# KiCad board AmigaPCI Mainboard.kicad_pcb (continued)
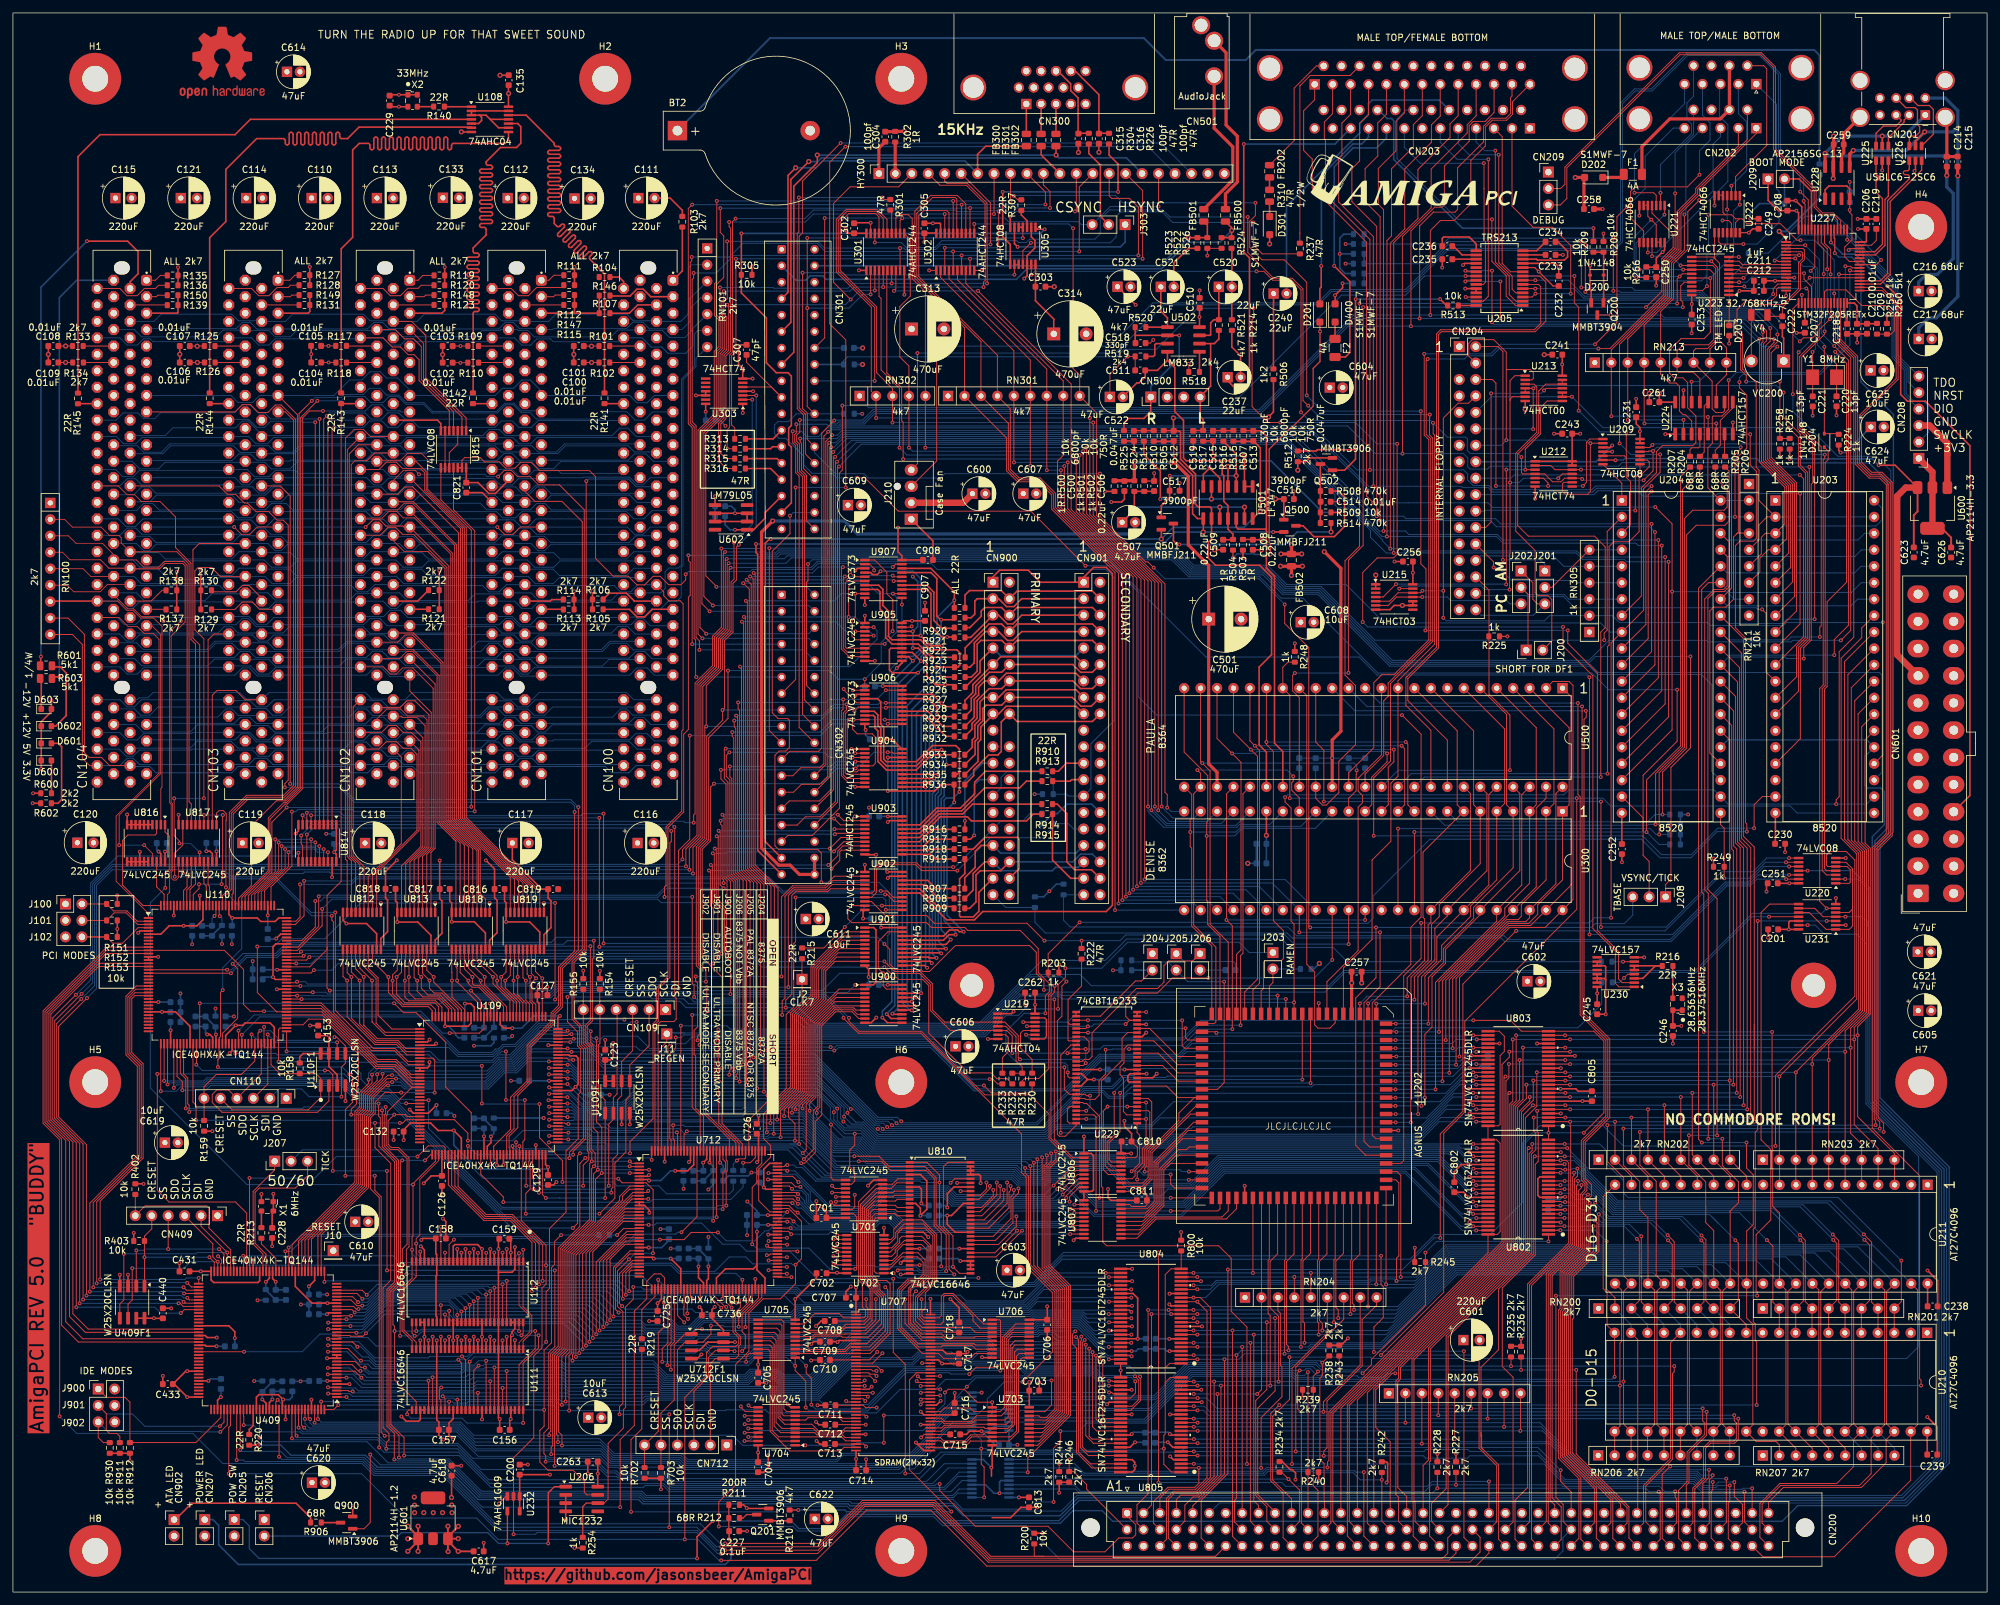
[diagram p0: board, top side]
## Routing (per net, layer and track width the routed paths; a pad name or vN(x,y) marks a point on that pad's centre or on a via; arc(x,y) is an arc through that point) (continued)
+AUD: length 64.9
  Top w0.5: v2(178.83,174.41) 179.35,174.41 181.47,172.29 181.47,161.7 184.62,158.55 C501.1 184.62,127.88 185.91,126.58 U500.27 ; v1(173.14,174.42) R501.1 R500.2
  Bottom w0.5: v2(178.83,174.41) 173.15,174.41 v1(173.14,174.42)
+AV: length 19.8
  Top w0.25: Q502.2 200.18,175.13 199.6,174.55 R512.1 ; 183.2,195.32 183.2,196.88 v1(183.2,196.88) 183.2,196.88 183.2,198.27 ; R503.2 191.39,162.54 ; U501.4 v2(187.6,173.8) ; C508.1 v2(192.81,162.49) ; C523.1 v1(173.35,198.76) ; v2(198.38,173.23) 198.38,174.55
+VID: length 159.1
  Top w0.25: 131.76,209.82 C302.1 128.87,209.82 128.59,210.1 v1(128.59,210.58) ; 140.73,209.86 142.52,209.86 ; C314.1 160.7,196.57 157.87,199.4 C303.1 ; v1(140.72,208.46) 140.73,208.47 C305.1 ; U305.14 157.88,201.58
  Top w0.5: R302.1 136.22,219.06
  In2.Cu w0.25: v1(140.72,208.46) 138.82,208.46 138.76,208.52 ; 138.76,210.69 138.65,210.58 v1(128.59,210.58) ; RN301.1 144.38,189.4 C313.1 138.74,193.77 130.72,185.75 RN302.1
  In2.Cu w0.5: 161.77,217.06 161.77,195.35 C314.1 ; 161.77,217.06 138.22,217.06 137.65,217.63 ; 161.77,217.06 182.52,217.06 HY300.21 ; 138.76,194.32 138.76,216.52 137.65,217.63 ; 137.65,217.63 HY300.2
-AV: length 70.4
  Top w0.25: U502.4 178.25,190.2 ; 178.25,190.2 179.39,189.06 179.39,182.27 180.73,180.93 180.73,175.12 181.16,174.69 186.7,174.69 ; 178.25,190.2 176.7,188.65 C511.2 174.82,187.66 173.88,186.72 173.54,186.72 C522.2 ; v1(204.79,166.72) R509.2 ; 186.7,174.69 v1(187.94,174.69) ; 186.7,174.69 186.7,172.62 186.95,172.37 186.95,168.41 187.6,167.77 U501.11 187.6,164.13 188.37,163.36 R504.1 ; C509.2 188.32,162.49
  Bottom w0.25: v1(204.79,166.72) 202.2,166.72 194.23,174.69 v1(187.94,174.69)
/Agnus Multiadapter/7MHz: length 16
  Top w0.15: U229.32 163.2,87.66 162.9,87.95 ; U229.36 163.01,85.12 162.9,85.22 162.9,87.95 ; 162.9,87.95 162.9,91.49 164.99,93.57 R222.2
/Agnus Multiadapter/7MHz_CDAC: length 11.8
  Top w0.15: U229.24 175.51,87.02 179.83,82.7 U202.37
/Agnus Multiadapter/_ARAMEN: length 11.4
  Top w0.15: U202.25 193.99,93.57 194.54,94.12 J203.2
  Bottom w0.15: RJ203.2 J203.2
/Agnus Multiadapter/A20_XCLK: length 21.3
  Top w0.15: v1(165.99,86.39) 165.99,86.39 U229.34 ; U202.35 181.42,85.24 181.05,85.61 v1(181.05,87.05)
  Bottom w0.15: v1(165.99,86.39) 173.61,86.39 174.27,87.05 v1(181.05,87.05)
/Agnus Multiadapter/CASL_UDS: length 21
  Top w0.15: v1(172.73,64.98) 172.73,64.99 173.96,66.22 173.96,70.57 173.56,70.97 U229.1 ; U202.53 179.37,62.38 178.75,63 v1(178.75,64.47)
  Bottom w0.15: v1(178.75,64.47) 176.9,64.47 176.82,64.39 174.52,64.39 173.94,64.98 v1(172.73,64.98)
/Agnus Multiadapter/CASU_CASL: length 34.4
  Top w0.15: v1(167.75,60.88) 167.75,73.47 165.79,75.43 165.34,75.43 165.18,75.59 U229.51 ; v1(178.76,60.87) 178.76,60.87 U202.54
  Bottom w0.15: v1(178.76,60.87) 167.76,60.87 v1(167.75,60.88)
/Agnus Multiadapter/CCK_CCKQ: length 11.3
  Top w0.15: U229.18 176.83,83.21 179.88,80.16 U202.39
/Agnus Multiadapter/CCKQ_7MHz: length 11.6
  Top w0.15: U229.21 176.12,85.12 179.81,81.43 U202.38
/Agnus Multiadapter/CDAC_XCLKEN: length 23.5
  Top w0.15: v1(180.53,88.27) 180.53,84.38 180.94,83.97 U202.36 ; U229.31 165.97,88.29 v1(165.98,88.28)
  Bottom w0.15: v1(165.98,88.28) 180.52,88.28 v1(180.53,88.27)
/Agnus Multiadapter/DRA8: length 16.2
  Top w0.15: U229.19 172.33,83.85 v1(172.32,83.85) ; U229.50 165.46,76.23 165.61,76.08 167.05,76.08 167.69,76.72 167.69,78.98 168.71,80 v1(168.71,83.75)
  Bottom w0.15: v1(172.32,83.85) 169.81,83.85 169.71,83.75 v1(168.71,83.75)
/Agnus Multiadapter/DRA9: length 14.7
  Top w0.15: U229.3 171.97,73.69 171.45,74.2 171.45,79.39 170.94,79.91 170.94,81.08 171.55,81.69 171.55,83.86 172.16,84.48 U229.20
/Agnus Multiadapter/DRA9_CASU: length 38.7
  Top w0.15: U202.55 186.37,59.18 186.04,58.85 v1(178.76,58.85) ; U229.54 166.9,73.69 167.23,73.36 v1(167.23,58.85)
  Bottom w0.15: v1(167.23,58.85) v1(178.76,58.85)
/Agnus Multiadapter/LDS_DRA8: length 22.8
  Top w0.15: U202.51 v1(181.57,64.92) ; v1(174.74,64.92) 174.74,65.46 174.97,65.69 174.97,68.22 175.82,69.07 175.82,75.66 175.26,76.23 U229.7
  Bottom w0.15: v1(174.74,64.92) 175.3,64.92 175.58,65.2 180.19,65.2 180.47,64.92 v1(181.57,64.92)
/Agnus Multiadapter/UDS_LDS: length 23.3
  Top w0.15: U202.52 v1(181.55,63.65) ; U229.4 175.28,74.32 175.52,74.08 175.52,69.2 174.67,68.34 174.67,65.83 173.58,64.74 v1(173.58,63.7)
  Bottom w0.15: v1(181.55,63.65) 173.63,63.65 v1(173.58,63.7)
/Agnus Multiadapter/VBB_CCK: length 11
  Top w0.15: U202.40 179.91,78.89 177.49,81.31 U229.15
/Audio/AUDLEFT: length 65.2
  Top w0.25: C513.2 192.71,179.31 193.54,178.48 193.54,164.11 ; 193.54,164.11 193.5,164.14 189.17,164.14 188.87,164.44 U501.12 ; 193.54,164.11 193.54,158.15 194.78,156.91 194.78,131.07 196.07,129.78 U500.31 ; 189.98,179.35 191.46,179.35
/Audio/AUDRIGHT: length 92.8
  Top w0.25: 179.18,179.34 179.18,181.3 v2(179.17,181.31) ; U500.30 193.53,129.69 192.4,130.82 192.4,142.82 194.33,144.75 194.33,156.72 192.5,158.55 185.68,158.55 184.57,159.66 184.57,162.15 185.06,162.64 U501.9 185.06,167.32 184.82,167.56 183,167.56 182.59,167.97 182.59,172.62 180.28,174.93 180.28,179.11 180.09,179.3 C512.2 ; v2(193.86,181.46) 194.62,182.22 R506.2 ; R505.2 179.17,179.35
  Bottom w0.25: v2(193.86,181.46) 193.71,181.31 v2(179.17,181.31)
/Chip Memory/LDB0: length 28.8
  Top w0.15: 130.14,27.87 U704.9 119.46,27.87 119.03,28.29 119.03,41.69 118.68,42.05 U705.11
/Chip Memory/LDB1: length 29.1
  Top w0.15: U705.12 118.53,41.39 118.73,41.19 118.73,27.52 119.03,27.21 U704.8 127.68,27.21 128.04,26.85 U707.33
/Chip Memory/LDB2: length 29.1
  Top w0.15: U707.34 128.12,26.35 127.55,26.91 122.75,26.91 122.41,26.56 U704.7 118.94,26.56 118.43,27.08 118.43,40.26 117.94,40.75 U705.13
/Chip Memory/LDB3: length 29
  Top w0.15: U707.36 128.53,25.35 128.04,24.86 124.4,24.86 123.34,25.91 U704.6 119.15,25.91 118.13,26.93 118.13,39.55 117.59,40.09 U705.14
/Chip Memory/LDB4: length 28.8
  Top w0.15: U705.15 117.24,39.44 117.83,38.85 117.83,26.17 118.74,25.26 U704.5 123.57,25.26 124.28,24.56 128.16,24.56 128.45,24.85 U707.37
/Chip Memory/LDB5: length 28.7
  Top w0.15: U707.39 128.48,23.85 128.07,24.26 124.15,24.26 123.8,24.62 118.53,24.62 117.53,25.61 117.53,38.24 116.97,38.8 U705.16
/Chip Memory/LDB6: length 28.8
  Top w0.15: 120.78,23.96 127.95,23.96 128.56,23.35 U707.40 ; U705.17 116.88,38.14 117.23,37.79 117.23,24.94 118.21,23.96 U704.3
/Chip Memory/LDB7: length 31.9
  Top w0.15: U707.42 128.32,22.35 127.76,21.79 119.96,21.79 118.07,23.68 ; 118.07,23.68 118.43,23.31 U704.2 ; 118.07,23.68 116.91,24.84 116.91,37.17 116.59,37.5 U705.18
/Chip Memory/LDB8: length 27.3
  Top w0.15: U707.56 143.23,27.85 143.8,28.42 147.82,28.42 148.38,27.87 U703.2 152.42,27.87 153.08,28.52 153.08,39.23 154.6,40.75 U706.18
/Chip Memory/LDB9: length 27.7
  Top w0.15: U706.17 154.37,40.09 153.38,39.1 153.38,27.98 152.62,27.21 U703.3 148.76,27.21 147.91,26.36 143.84,26.36 143.35,26.85 U707.54
/Chip Memory/LDB10: length 27.9
  Top w0.15: U706.16 154.19,39.44 153.68,38.94 153.68,27.05 153.19,26.56 U703.4 148.54,26.56 148.03,26.06 143.72,26.06 143.43,26.35 U707.53
/Chip Memory/LDB11: length 27.6
  Top w0.15: U707.51 143.4,25.35 143.81,25.76 148.16,25.76 148.31,25.91 U703.5 153.38,25.91 153.98,26.51 153.98,38.06 154.71,38.8 U706.15
/Chip Memory/LDB12: length 27.8
  Top w0.15: U706.14 154.71,38.14 154.28,37.71 154.28,25.94 153.6,25.26 U703.6 150.1,25.26 149.9,25.46 143.93,25.46 143.32,24.85 U707.50
/Chip Memory/LDB13: length 27.9
  Top w0.15: U707.48 143.18,23.85 143.69,23.34 146.96,23.34 147.88,24.26 149.78,24.26 150.13,24.62 153.38,24.62 154.65,25.89 154.65,37.05 154.64,37.06 155.07,37.5 U706.13
/Chip Memory/LDB14: length 27.9
  Top w0.15: 156.91,36.84 155.38,36.84 154.95,36.42 154.95,24.87 154.05,23.96 U703.8 148.01,23.96 147.08,23.04 143.57,23.04 143.26,23.35 U707.47
/Chip Memory/LDB15: length 27.3
  Top w0.15: U706.11 155.88,36.19 155.25,35.56 155.25,24.75 153.82,23.31 U703.9 147.89,23.31 147.89,23.32 146.92,22.35 U707.45
/Chip RAM Controller/U712_CRESET: length 40.8
  Top w0.15: v1(100.5,44.7) 100.5,40.93 99.64,40.06 99.64,24.82 CN712.6 ; R702.2 97.53,22.49 ; v1(112.97,45.32) 113.12,45.47 U712.66
  Bottom w0.15: v1(100.5,44.7) 109.78,44.7 110.41,45.32 v1(112.97,45.32)
/Chip RAM Controller/U712_SCK: length 31.4
  Top w0.15: v1(112.58,37.2) 113.08,37.7 113.08,39.71 112.58,40.21 112.58,42.88 115.12,45.42 U712.70 ; v1(111.42,37.2) 111.31,37.31 U712F1.6 108.47,37.31 107.38,36.21 107.38,33.22 105.13,30.99 105.13,22.5
  Bottom w0.15: v1(111.42,37.2) v1(112.58,37.2)
/Chip RAM Controller/U712_SDI: length 29.7
  Top w0.15: 111.53,40.72 111.53,40.31 ; 111.53,40.72 111.53,42.68 113.62,44.77 U712.67 ; 111.53,40.72 111.53,40.24 112.35,39.41 112.35,38.24 112.06,37.94 112.06,36.52 111.57,36.05 U712F1.5 108.45,36.05 107.68,35.27 107.68,22.5
/Chip RAM Controller/U712_SDO: length 33.4
  Top w0.15: v1(107.77,41.14) 107.77,39.83 106.53,38.58 U712F1.2 103.78,38.58 102.59,37.4 102.59,22.5 ; U712.68 114.12,44.84 112.06,42.78 v1(112.06,40.97)
  Bottom w0.15: v1(107.77,41.14) 109.61,41.14 109.78,40.97 v1(112.06,40.97)
/Chip RAM Controller/U712_SS: length 39
  Top w0.15: U712.71 115.62,45.49 113.1,42.98 v1(113.1,40.92) ; v1(106.41,40.6) 105.5,40.6 U712F1.1 103.78,39.85 102.1,38.18 102.1,29.68 100.06,27.63 100.06,22.5 ; R703.2 100.05,22.5
  Bottom w0.15: v1(106.41,40.6) 106.63,40.38 112.56,40.38 v1(113.1,40.92)
/Clocks and PCI Buffers/CLK33: length 4.2
  Top w0.25: U108.1 66.58,229.36
/Floppy and Parallel/_CHNG: length 14.3
  Top w0.15: J201.2 237.6,155.13 243.4,160.94
  Bottom w0.15: 243.4,160.94 248.4,160.94
/Floppy and Parallel/_DCHNG: length 44.5
  Top w0.15: CN204.2 229.28,192.32 230.05,191.55 v1(230.05,159.38)
  Bottom w0.15: J201.1 236.52,158.67 235.82,159.38 v1(230.05,159.38)
/Floppy and Parallel/_DF1: length 47.7
  Top w0.15: J200.2 237.6,146.86 237.6,153.27 237,153.88 235.48,153.88 235.02,154.32 235.02,160.82 232.02,163.82 232.02,175.85 235.27,179.1 235.27,186.09 234.84,186.52 233.49,186.52
/Floppy and Parallel/_DKWDB: length 32.2
  Top w0.15: U209.8 251.21,172.84 250.5,172.12 v1(250.5,167.01)
  Bottom w0.15: v1(250.5,167.01) 250.47,167.04 227.31,167.04 227.18,166.92 CN204.22
/Floppy and Parallel/_DKWEB: length 33.9
  Top w0.15: v1(228.22,185.1) 228.22,165.22 227.38,164.38 CN204.24 ; U213.11 236.73,185.88 v1(236.4,185.55)
  Bottom w0.15: v1(236.4,185.55) 235.95,185.1 228.23,185.1 v1(228.22,185.1)
/Floppy and Parallel/_DRDY: length 19
  Top w0.15: J202.1 234.68,155.85 234.68,153.3 235.38,152.59 236.52,152.59
  Bottom w0.15: CN204.34 226.7,150.83 234.76,150.83 236.52,152.59
/Floppy and Parallel/_INUSE0: length 45.2
  Top w0.15: U209.1 243.46,178.05 242.95,177.54 242.95,171.35 v1(242.4,170.8) ; v1(228.98,170.8) 228.98,186.67 228.41,187.24 CN204.6 ; U212.5 236.28,172.01 237.02,171.26 v1(237.02,170.8) 237.02,170.79
  Bottom w0.15: v1(242.4,170.8) v1(237.02,170.8) v1(228.98,170.8)
/Floppy and Parallel/_INUSE1: length 65.6
  Top w0.15: 230.57,188.77 230.57,177.88 v1(230.57,177.88) ; 230.57,188.77 230.57,191.45 228.63,193.39 225.35,193.39 224.77,192.82 224.77,190.85 CN204.4 ; 230.57,188.77 234.27,188.77 234.75,188.3 234.75,187.4 234.52,187.17 U213.2 ; U209.2 v1(243.55,177.4) 243.55,169.92 243.15,169.52 239.69,169.52 239.24,169.97 239.24,171.14 239.46,171.36 U212.9
  Bottom w0.15: v1(243.55,177.4) 243.25,177.4 242.77,177.88 v1(230.57,177.88) 229.78,177.08 CN204.14
/Floppy and Parallel/_IORST: length 53.9
  Top w0.15: v1(157.17,208.35) 155.93,207.11 U305.11 ; v1(191.52,211.49) 191.52,208 192.88,206.64 R237.1
  Bottom w0.15: v1(191.52,211.49) 179.05,211.49 177.41,213.12 171.05,213.12 170.32,212.4 170.32,209.25 169.42,208.35 v1(157.17,208.35)
/Floppy and Parallel/_MOTOR: length 23.7
  Top w0.25: v1(246.93,177.05) 246.63,176.75 U209.3
  Bottom w0.25: CN204.16 244.42,174.54 v1(246.93,177.05)
/Floppy and Parallel/_PCRDY: length 23.4
  Top w0.15: U215.6 212.32,152.35 213.62,153.65 U215.11 v1(217.6,153.65)
  Bottom w0.15: v1(217.6,153.65) 221.44,153.65 221.99,153.09 230.62,153.09 231.12,152.59 232.85,152.59
/Floppy and Parallel/_RDY: length 26.2
  Top w0.15: J202.2 233.93,154.06 233.93,145.72
  Bottom w0.15: J202.2 233.98,154.01 239.54,154.01 240.23,153.31 RN305.3 248.4,153.31
/Floppy and Parallel/_TRK0: length 25.5
  Top w0.15: v1(228.6,158.22) 228.6,159.09 CN204.26
  Bottom w0.15: RN305.4 241.44,155.85 241.09,156.21 231.38,156.21 229.36,158.22 v1(228.6,158.22) ; U204.6 243.4,155.86
/Floppy and Parallel/_WPROT: length 23.5
  Bottom w0.15: 248.4,158.39 RN305.5 239.45,158.39 237.85,160 226.55,160 CN204.28
/Floppy and Parallel/INIT: length 34.8
  Top w0.15: CN203.16 206.43,234.18 200.3,234.18 198.7,232.59 198.7,209.84 198.7,209.84 R237.2
/Floppy and Parallel/LINEFEED: length 19.4
  Top w0.15: CN203.14 201.24,235.66 197.82,232.23 197.82,224.13 FB202.2
/Floppy and Parallel/SEL0: length 57.6
  Top w0.15: U215.4 211.56,153.65 v1(213.55,155.64) ; 239.21,183.92 236.88,183.92 235.88,182.92 235.88,178.86 233.5,176.48 v1(233.5,173.31) U212.3 ; v1(230.55,155.6) 230.57,155.62 v1(230.57,173.32)
  Bottom w0.15: v1(230.55,155.6) 230.5,155.64 v1(213.55,155.64) ; 230.69,173.33 v1(230.57,173.32) 230.59,173.31 v1(233.5,173.31)
/Floppy and Parallel/SEL1: length 67.4
  Top w0.15: 238.69,172.06 v1(238.6,171.97) 238.6,172.03 239.23,172.66 U212.11 ; U213.6 231.52,184.57 231.15,184.2 231.15,184.02 ; v1(214.05,154.95) U215.13 ; 231.15,184.02 231.15,187.07 231.9,187.82 U213.1 ; 231.15,184.02 231.15,160.32 231.07,160.25 v1(231.07,154.8)
  Bottom w0.15: v1(231.15,171.32) 232.55,171.32 233.2,171.97 v1(238.6,171.97) ; v1(231.07,154.8) 227.25,154.8 226.7,155.34 214.44,155.34 v1(214.05,154.95)
/Floppy and Parallel/TICK: length 366.3
  Top w0.15: v1(95.27,67.75) 95.27,69.54 98.82,73.09 98.82,87.74 99.34,88.26 99.34,93.23 101.13,95.03 101.13,118.03 103.56,120.46 103.56,132.47 104.29,133.2 104.29,153.62 104.57,153.91 104.57,159 104.29,159.29 v1(104.29,160.08) ; v1(87.55,67.76) 87.18,67.38 87.18,56.93 v1(86.45,56.21) ; v1(259.01,144.47) 259.01,130.35 255.99,127.33 255.99,110.08 255.17,109.26 J208.1
  Bottom w0.15: v1(259.01,144.47) 244.35,144.47 243.45,143.57 212.82,143.57 201.71,154.68 196.25,154.68 193.25,157.67 181.9,157.67 179.28,160.3 118.51,160.3 118.07,159.85 115.19,159.85 114.97,160.08 v1(104.29,160.08) ; v1(95.27,67.75) 95.26,67.76 v1(87.55,67.76) ; J207.2 44.7,68.28 64.96,68.28 77.03,56.21 86.45,56.21 v1(86.45,56.21)
/HID and User Ports/_Back: length 9
  Top w0.15: U227.9 266.88,204.47 266.49,204.85 U223.8
/HID and User Ports/_Back0: length 38.7
  Top w0.15: U222.4 v1(264.67,213.5) ; RN213.8 262.02,191.97 263.2,193.15 263.2,204.52 v1(262.22,205.5) U223.12 ; v1(259.18,186.9) 259.19,185.46 U224.14
  Bottom w0.15: RN213.8 262.02,188.6 260.32,186.9 v1(259.18,186.9) ; v1(264.67,213.5) 264.67,207.96 v1(262.22,205.5)
/HID and User Ports/_Fire: length 21
  Top w0.15: v1(266.52,202.26) 266.51,202.25 U223.4 ; 285.11,202.95 277.43,202.95 v1(277.42,202.96)
  Bottom w0.15: v1(277.42,202.96) 276.86,202.39 274.36,202.39 273.69,203.06 268.49,203.06 267.69,202.26 v1(266.52,202.26)
/HID and User Ports/_Forward: length 9.1
  Top w0.15: U223.9 266.5,205.5 267.04,204.97 U227.8
/HID and User Ports/_Forward0: length 31.3
  Top w0.15: U222.8 262.72,205.97 262.83,205.86 ; U223.11 262.54,206.15 262.83,205.86 ; 262.83,205.86 263.5,205.19 263.5,193.2 264.56,192.14 RN213.9 264.56,187.96 263,186.4 U224.11
/HID and User Ports/_HIDEN: length 79.7
  Top w0.15: 264.37,212.68 265.35,212.68 265.97,212.05 266.52,212.05 ; 264.37,212.68 264.02,213.03 264.02,215.7 263.37,215.7 ; 264.37,212.68 v1(261.78,212.68) ; U227.28 v1(281.2,200.54) ; U222.13 265.97,211.5 266.52,212.05 ; v1(276,208.75) 275.45,208.75 272.9,211.3 267.72,211.3 266.97,212.05 266.52,212.05 ; U223.19 260.86,200.95 v1(261.55,201.65) ; v1(250.63,203) 250.63,203 R266.2 ; 254.37,208.45 253.72,208.45 253.72,211.15 v1(252.96,211.91) 252.42,212.45 252.42,214.17 251.77,214.17
  Bottom w0.15: v1(252.96,211.91) 250.3,209.26 250.3,203.33 v1(250.63,203) 251.17,202.46 260.71,202.46 261.55,203.3 ; 261.55,203.3 v1(261.55,201.65) ; 261.55,203.3 261.55,207.85 261.78,208.08 v1(261.78,212.68) ; v1(276,208.75) 278.14,208.75 281.2,205.69 v1(281.2,200.54)
/HID and User Ports/_Left: length 8.9
  Top w0.15: U223.7 266.48,204.2 266.71,203.97 U227.10
/HID and User Ports/_Left0: length 42.1
  Top w0.15: v1(257.48,204.85) 257.28,204.85 U223.13 262.44,204.85 262.9,204.4 262.9,193.27 261.64,192.01 259.86,192.01 259.84,192.02 259.48,191.66 RN213.7 262.35,186.98 262.35,182.7 262.9,182.15 264,182.15 264.27,182.42 U224.10 ; v1(253.07,206.28) U221.11
  Bottom w0.15: v1(253.07,206.28) 256.05,206.28 v1(257.48,204.85)
/HID and User Ports/_Right: length 8.9
  Top w0.15: U227.11 268.96,203.47 268.88,203.56 U223.6
/HID and User Ports/_Right0: length 43.5
  Top w0.15: v1(251.13,204.22) 251.12,204.22 U221.8 ; v1(257.89,204.2) 257.72,204.2 U223.14 262,204.2 262.6,203.6 262.6,193.39 261.81,192.6 257.88,192.6 256.94,191.66 RN213.6 256.94,188.58 257.15,188.37 259.45,188.37 260.46,187.36 U224.13
  Bottom w0.15: v1(257.89,204.2) v1(251.13,204.22)
/HID and User Ports/_STMRSTA: length 35.5
  Top w0.15: v1(279.68,192.28) D204.2 281.92,178.88 ; v1(276.72,207.97) U227.2
  Bottom w0.15: v1(279.68,192.28) 279.68,192.64 278.9,193.42 278.9,205.79 v1(276.72,207.97)
/HID and User Ports/B0: length 18.8
  Top w0.15: U222.3 265.32,217.15 v1(265.33,217.16)
  Bottom w0.15: v1(265.33,217.16) 267.69,219.52 267.69,227.03 267.67,227.03 266.4,228.3 CN202.2
/HID and User Ports/B1: length 70.2
  Top w0.15: v1(261.7,181.45) 261.73,181.42 U224.5 ; CN202.11 266.4,223.33 259.82,216.74 259.82,216.05 256.94,213.17 256.94,207.38 255.19,205.63 255.19,200.22 246.78,191.81 RN213.2 246.78,181.59 v1(246.8,181.57)
  Bottom w0.15: v1(261.7,181.45) 261.57,181.57 v1(246.8,181.57)
/HID and User Ports/BOOT0: length 14.7
  Top w0.25: U227.60 277.7,216.29 275.78,218.21 J209.2
  Bottom w0.25: R202.1 J209.2
/HID and User Ports/CONS_RX: length 78
  Top w0.15: U227.52 281.7,211.88 280.92,212.66 279.29,212.66 278.1,213.85 278.1,216.46 271.82,222.74 271.82,235.4 269.83,237.39 257.39,237.39 239.92,219.92 239.92,215.2 238.91,214.19 CN209.3
/HID and User Ports/CONS_TX: length 76.4
  Top w0.15: U227.51 282.2,211.8 281.04,212.96 279.41,212.96 278.4,213.97 278.4,216.58 272.12,222.86 272.12,235.52 269.95,237.69 257.27,237.69 239.62,220.04 239.62,217.38 238.97,216.73 CN209.2
/HID and User Ports/DIO: length 31.6
  Top w0.15: U227.46 283.68,207.47 v1(283.43,207.22)
  Bottom w0.15: v1(283.43,207.22) 284.69,207.22 290.13,201.77 290.13,190.62 292.01,188.74 292.01,184.93 CN208.4
/HID and User Ports/F1: length 64.1
  Top w0.15: U224.2 257.92,180.99 v1(257.93,181) ; v1(249.32,181) 249.32,181 RN213.3 249.32,193.5 255.79,199.97 255.79,205.38 257.54,207.13 257.54,212.92 260.42,215.8 260.42,216.49 269.17,225.25 CN202.10
  Bottom w0.15: v1(257.93,181) v1(249.32,181)
/HID and User Ports/FIR0: length 24.8
  Top w0.15: U222.2 265.97,218.57 270.79,223.38 270.79,235.22 270.31,235.7 CN202.6
/HID and User Ports/FOR0: length 35.1
  Top w0.15: U222.9 263.37,208.48 263.7,208.15 v1(267.18,208.15)
  Bottom w0.15: CN202.1 272.3,229.73 272.3,216.68 272.7,216.28 272.7,211.56 269.29,208.15 v1(267.18,208.15)
/HID and User Ports/HSCLKIN: length 26.7
  Top w0.15: v1(280.5,190.69) 281.56,189.62 Y1.1 281.56,184.57 ; v1(275.77,206.44) 275.75,206.47 U227.5
  Bottom w0.15: v1(280.5,190.69) 278.6,192.58 278.6,204.35 276.5,206.44 v1(275.77,206.44)
/HID and User Ports/HSCLKOUT: length 25.1
  Top w0.15: U227.6 275.15,205.97 v1(275.18,205.94) ; 277.88,184.57 277.88,187.57 ; Y1.2 v1(277.86,191.49)
  Bottom w0.15: v1(277.86,191.49) 278.3,191.93 278.3,204.23 277.82,204.7 276.42,204.7 v1(275.18,205.94)
/HID and User Ports/L0: length 33.8
  Top w0.15: U221.10 252.42,206.86 v1(252.43,206.86)
  Bottom w0.15: 263.5,232.73 263.5,227.87 264.78,226.59 264.78,217.82 253.82,206.86 v1(252.43,206.86)
/HID and User Ports/L1: length 54.3
  Top w0.15: U224.3 259.19,180.85 258.25,181.79 257.88,181.79 257.3,182.37 257.3,186.18 256.79,186.69 256.79,186.69 255.78,186.69 254.4,188.07 RN213.5 254.4,197.73 256.39,199.72 256.39,205.13 258.6,207.34 258.6,213.16 v1(260.38,214.93)
  Bottom w0.15: CN202.12 263.63,224.72 262.46,223.55 262.5,223.5 262.5,216.38 261.06,214.93 v1(260.38,214.93)
/HID and User Ports/LSCLKIN: length 16.8
  Top w0.15: C222.1 271.1,197 ; 273.2,196.85 273.2,198.35 276.01,201.16 276.01,205.15 276.6,205.75 276.6,207.25 276.38,207.47 U227.3
/HID and User Ports/LSCLKOUT: length 25.5
  Top w0.15: 268.39,196.86 268.39,198.44 268.75,198.8 273.23,198.8 275.71,201.28 275.71,205.28 276.3,205.87 276.3,206.8 276.13,206.97 U227.4 ; Y4.2 VC200.2
/HID and User Ports/MH0: length 8.9
  Top w0.15: R204.1 261.13,176.04 261.13,183.15 U224.12
/HID and User Ports/MH1: length 3.3
  Top w0.15: U224.7 264.27,175.46
/HID and User Ports/MV0: length 9.5
  Top w0.15: R205.1 262.84,176.32 263.62,177.1 263.62,180.92 265.54,182.84 U224.9
/HID and User Ports/MV1: length 4.7
  Top w0.15: R207.1 258.94,176.42 259.21,176.69 260.26,176.69 260.46,176.89 U224.4
/HID and User Ports/NRST: length 43.6
  Top w0.15: U227.7 272.59,205.47 272.46,205.6 v1(272.01,205.6)
  Bottom w0.15: CN208.5 292.61,186.87 292.61,188.99 290.73,190.87 290.73,202.02 283.19,209.56 275.97,209.56 v1(272.01,205.6)
/HID and User Ports/PotX: length 14.5
  Top w0.15: v1(276.9,201.3) 277.2,201 U227.20 ; v1(267.32,201.61) 267.31,201.6 U223.3
  Bottom w0.15: v1(267.32,201.61) 267.63,201.3 v1(276.9,201.3)
/HID and User Ports/PotY: length 17
  Top w0.15: U223.5 267.19,202.9 v1(267.19,202.91) ; U227.21 277.7,201.58 276.54,202.74 v1(276.54,203.64)
  Bottom w0.15: v1(276.54,203.64) 267.93,203.64 v1(267.19,202.91)
/HID and User Ports/POWER_LED: length 27.6
  Top w0.15: v1(288.44,205.7) 287.71,204.97 U227.41
  Bottom w0.15: R267.2 271.02,206.75 276.72,212.45 281.69,212.45 v1(288.44,205.7)
/HID and User Ports/PWRSW: length 481.4
  Top w0.2: U227.53 281.2,209.09 281.29,209 v1(281.29,206.75)
  Top w0.25: v1(108.05,10.97) 105.63,8.55 v1(105.63,5.2)
  Bottom w0.2: v1(108.05,10.97) 120.17,10.97 121.34,9.8 126.48,9.8 128.69,12 142.33,12 143.7,10.63 161.72,10.63 163.65,12.56 168.17,12.56 169.8,10.93 273.17,10.93 275.59,13.35 292.39,13.35 298.97,19.92 298.97,65.61 288.28,76.3 288.28,115.31 290.34,117.37 290.34,181.85 285.34,186.85 285.34,204.69 283.89,206.14 281.9,206.14 v1(281.29,206.75) ; 34.3,11.19 35.5,11.19 36.5,10.19 36.5,6.69 38,5.19 105.62,5.19 v1(105.63,5.2)
/HID and User Ports/PX0: length 25.1
  Top w0.15: v1(250.37,216.08) 253.31,216.08 253.72,215.67 U221.3
  Bottom w0.15: CN202.5 258.09,229.83 250.37,222.1 v1(250.37,216.08)
/HID and User Ports/PY0: length 24.3
  Top w0.15: U221.2 v1(254.37,216.06)
  Bottom w0.15: CN202.9 259.48,230.96 258.45,229.94 258.45,227.4 259.17,226.68 259.17,225.21 254.37,220.41 v1(254.37,216.06)
/HID and User Ports/R0: length 35.6
  Top w0.15: v1(260.4,218.86) 258.53,216.98 250.46,216.98 249.76,216.28 249.76,212.19 251.77,210.17 U221.9
  Bottom w0.15: CN202.4 260.86,228.06 262.03,226.9 262.03,224.21 260.4,222.58 v1(260.4,218.86)
/HID and User Ports/R1: length 62.1
  Top w0.15: v1(251.9,180.45) 251.86,180.49 RN213.4 251.86,195.62 256.09,199.84 256.09,205.25 258.07,207.24 v1(258.07,212.72) ; U224.6 v1(263,180.45)
  Bottom w0.15: CN202.13 258.31,223.5 258.31,212.95 v1(258.07,212.72) ; v1(263,180.45) v1(251.9,180.45)
/HID and User Ports/SWCLK: length 39.8
  Top w0.15: v1(283.2,208.81) U227.49
  Bottom w0.15: CN208.2 295.72,179.04 295.79,179.04 295.79,183.1 295.03,183.86 293.5,183.86 292.31,185.05 292.31,188.86 290.43,190.74 290.43,201.9 283.52,208.81 v1(283.2,208.81)
/HID and User Ports/TDO: length 32.2
  Top w0.15: U227.55 v1(280.2,211.93)
  Bottom w0.15: v1(280.2,211.93) 281.25,211.93 291.03,202.15 291.03,190.99 CN208.6
/HID and User Ports/USB1+: length 17.8
  Top w0.2: U227.45 287.48,206.97 288.64,208.13 288.64,215.2 287.66,216.18 287.66,217.83 arc(287.73,217.99) 287.88,218.06 arc(288.04,218.12) 288.11,218.28 288.11,218.48 arc(288.04,218.64) 287.88,218.71 arc(287.73,218.77) 287.66,218.93 U225.1
/HID and User Ports/USB1-: length 17.8
  Top w0.2: U227.44 287.55,206.47 289.04,207.96 289.04,215.03 289.56,215.55 U225.3
/HID and User Ports/USB1A+: length 7.9
  Top w0.2: CN201.3 291.54,227.3 291.54,227.18 290.74,226.37 288.77,226.37 287.66,225.26 U225.6
/HID and User Ports/USB1A-: length 6.1
  Top w0.2: U225.4 289.56,224.56 291.99,226.99 291.99,227.3 CN201.2
/HID and User Ports/USB2+: length 24.9
  Top w0.2: U227.36 288.3,202.47 289.44,203.61 289.44,214.87 292.8,218.22 292.8,218.57 arc(292.71,218.78) 292.5,218.87 292.18,218.87 arc(291.96,218.96) 291.88,219.17 arc(291.96,219.38) 292.18,219.47 292.5,219.47 arc(292.71,219.56) 292.8,219.77 U226.1
/HID and User Ports/USB2-: length 24.9
  Top w0.2: U226.3 294.7,219.56 289.84,214.7 289.84,203.44 288.37,201.97 U227.35
/HID and User Ports/USB2A+: length 10.8
  Top w0.2: CN201.7 292.24,229.22 293.69,229.22 294.05,228.86 294.05,226.61 294.39,226.27 294.39,225.42 293.79,224.82 293.08,224.82 292.8,224.54 U226.6
/HID and User Ports/USB2A-: length 10.7